# KiCad board AmigaPCI Mainboard.kicad_pcb (continued)
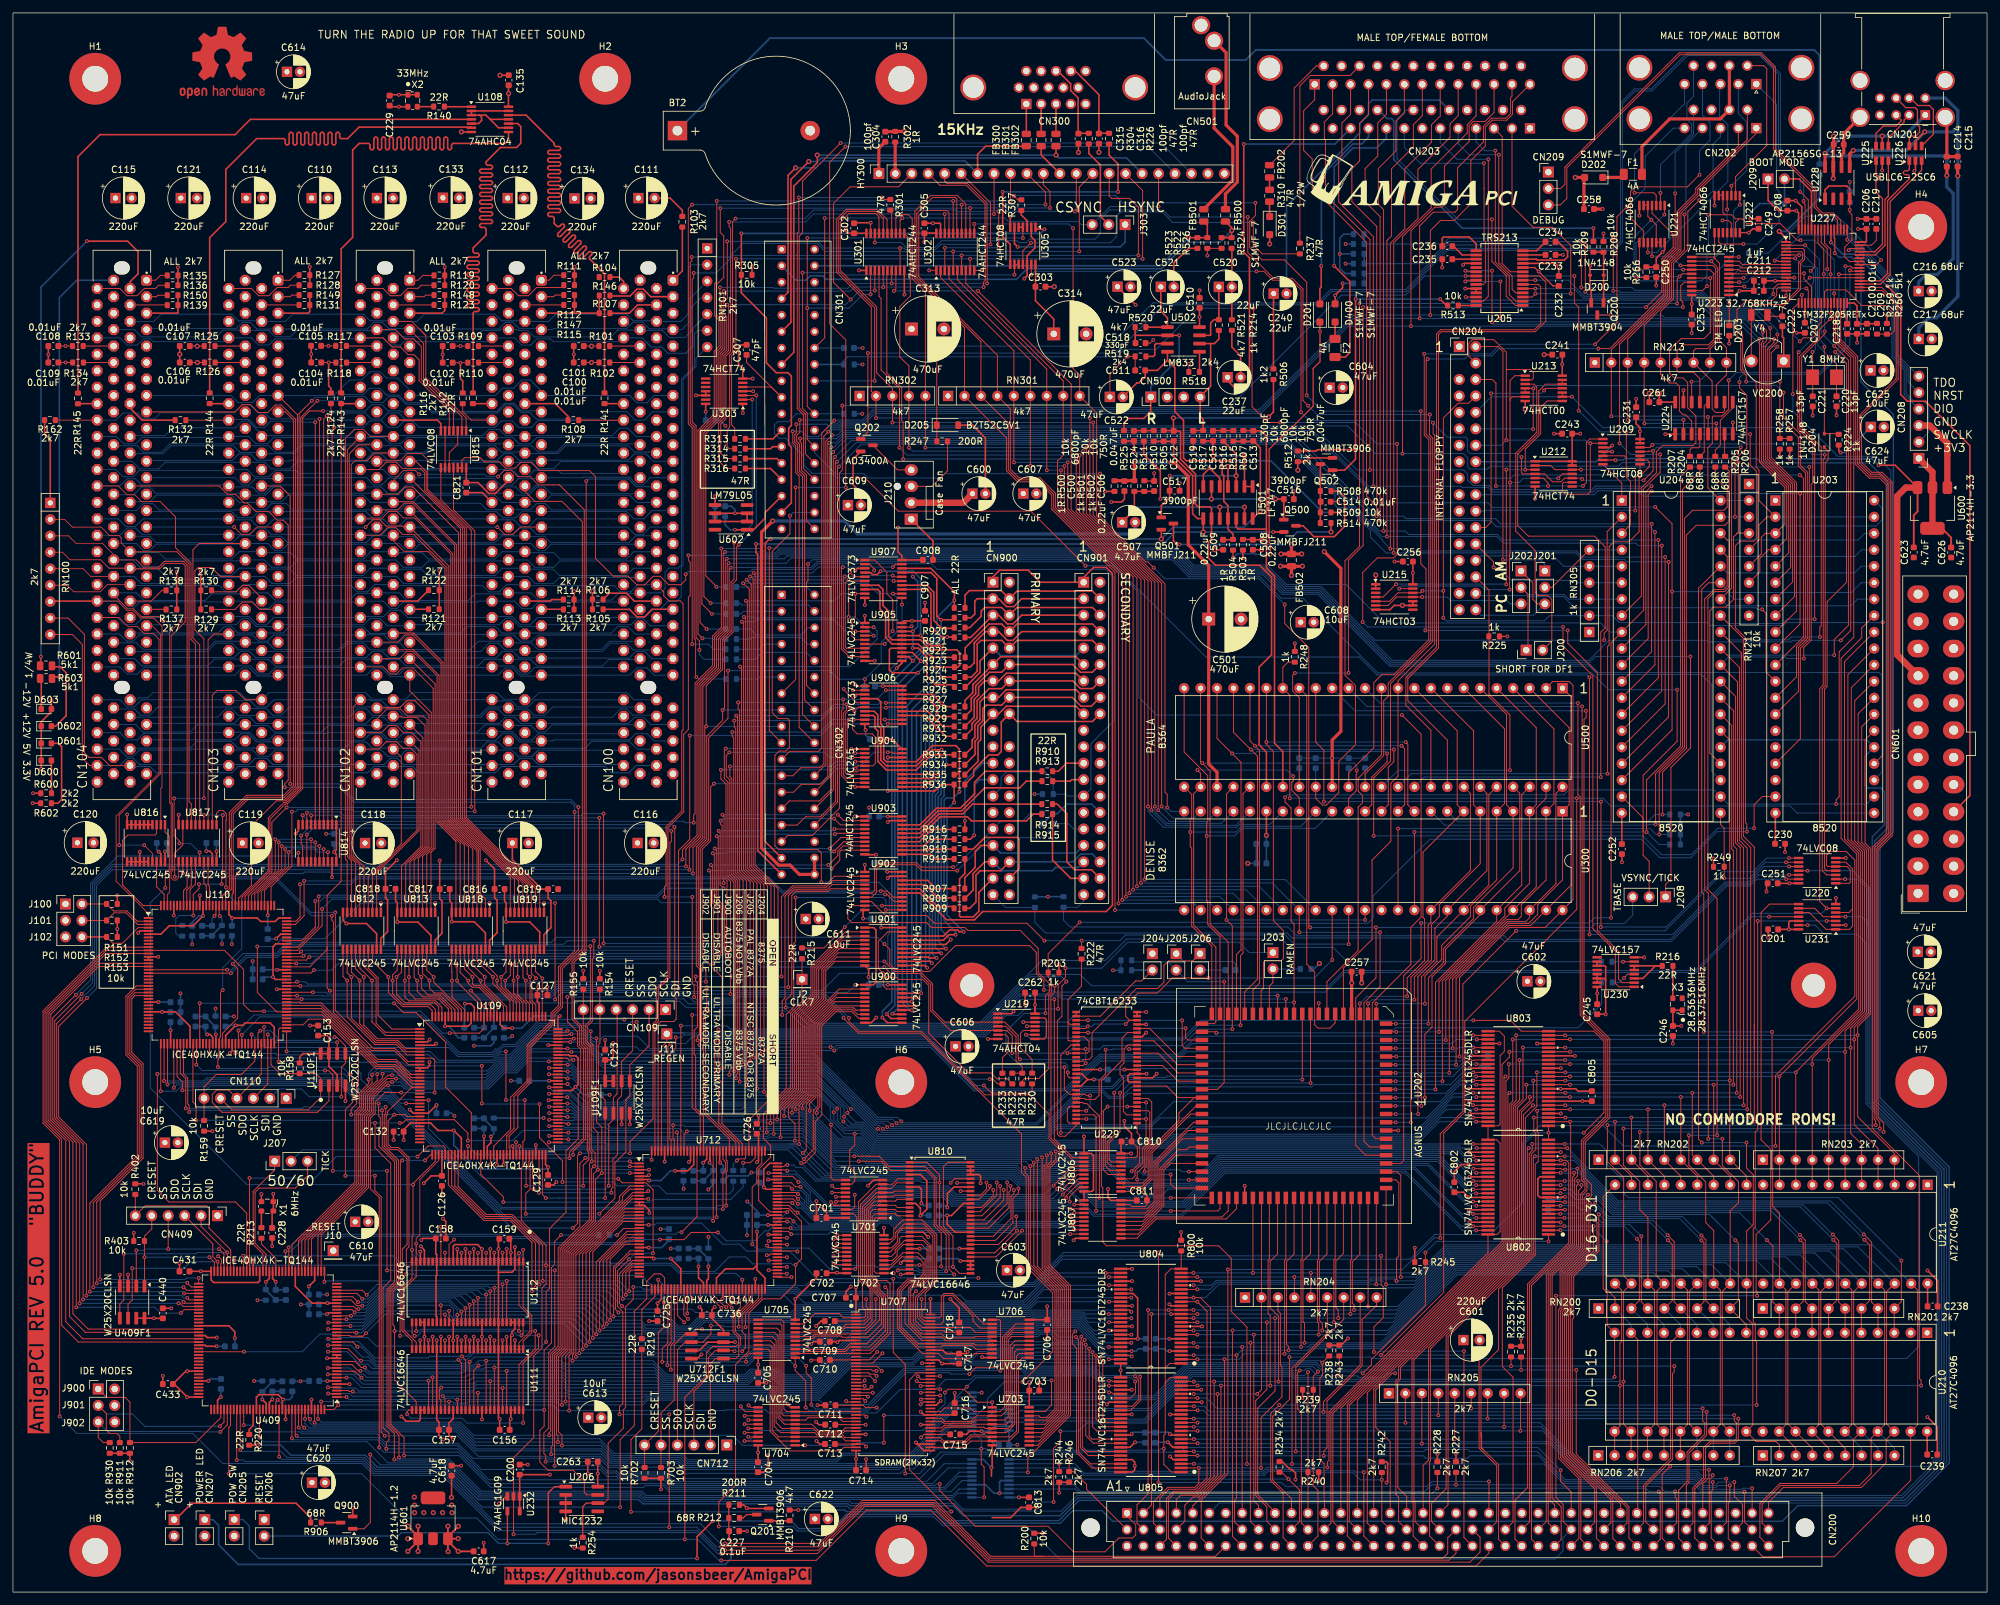
[diagram p0: board, top side]
## Routing (per net, layer and track width the routed paths; a pad name or vN(x,y) marks a point on that pad's centre or on a via; arc(x,y) is an arc through that point) (continued)
LVA1: length 262.7
  Top w0.15: U805.29 169.86,30.6 169.63,30.82 v1(169.24,30.82) ; v1(98.09,61.94) 97.85,61.7 U712.10 95.73,61.7 86.29,52.26 86.29,36.95 85.87,36.52 85.87,28.02 v1(85.87,28.02) ; v1(34.82,86.7) 34.81,86.69 34.81,84.7 ; U409.144 49.54,28.2 v1(50.23,28.88)
  In2.Cu w0.15: v1(94.4,88.39) 94.4,87 96.54,84.86 96.54,63.49 v1(98.09,61.94)
  Bottom w0.15: v1(34.82,86.7) 37.24,89.11 63.11,89.11 68.91,83.31 73.95,83.31 74.49,83.85 74.96,83.85 75.66,84.55 77.48,84.55 81.32,88.39 v1(94.4,88.39) ; v1(50.23,28.88) 83.32,28.88 84.18,28.02 v1(85.87,28.02) 110.02,28.02 110.14,28.14 116.21,28.14 116.69,27.66 133.35,27.66 136.98,31.3 142.43,31.3 143.97,32.83 147.87,32.83 148.43,33.39 166.68,33.39 v1(169.24,30.82)
LVA2: length 170.1
  Top w0.15: U409.143 v1(47.59,29.41) ; v1(84.75,28.9) 84.75,36.4 85.69,37.34 85.69,52.51 93.66,60.48 93.66,61.09 95.27,62.7 U712.8 ; v1(169.21,31.87) U805.27 ; U111.38 v1(67.34,29.41)
  Bottom w0.15: v1(47.59,29.41) 48.82,29.41 v1(67.34,29.41) 67.84,29.41 68.07,29.18 70.09,29.18 70.31,29.41 83.96,29.41 84.47,28.9 v1(84.75,28.9) 97.27,28.9 98,29.64 124.49,29.64 125.16,28.97 132.02,28.97 137.54,34.5 151.5,34.5 151.76,34.75 155.17,34.75 156.23,33.69 166.8,33.69 168.62,31.87 v1(169.21,31.87)
LVA3: length 165.5
  Top w0.15: U111.40 v1(68.61,29.71) ; v1(85.33,29.43) 85.33,36.45 85.99,37.11 85.99,52.39 94.11,60.51 94.11,61.12 95.19,62.2 U712.9 ; U805.26 169.81,32.5 169.69,32.62 v1(169.23,32.62) ; v1(51.49,30.12) 50.01,30.12
  Bottom w0.15: v1(169.23,32.62) 168.29,32.62 166.92,33.99 156.35,33.99 155.29,35.05 145.23,35.05 144.42,35.85 142.28,35.85 141.22,34.8 129.47,34.8 124.61,29.94 97.88,29.94 97.37,29.43 v1(85.33,29.43) 84.67,29.43 84.39,29.71 v1(68.61,29.71) 68.25,29.71 68.02,29.93 67,29.93 66.78,29.71 51.9,29.71 v1(51.49,30.12)
LVA4: length 162.6
  Top w0.15: v1(53.18,37.88) 52.45,38.61 U409.18 ; U712.15 94.5,59.2 87.44,52.13 87.44,36.9 v1(87.44,36.9) ; v1(68.77,35.87) 69.25,35.39 U111.41 ; U804.47 v1(169.21,35.94)
  Bottom w0.15: v1(53.18,37.88) 53.72,37.88 55.96,35.64 68.33,35.64 68.56,35.87 v1(68.77,35.87) 70.06,35.87 71.09,36.9 v1(87.44,36.9) 105.3,36.9 105.66,37.26 106.95,37.26 107.84,36.38 113.64,36.38 114.39,37.12 124.6,37.12 127.84,40.37 157.9,40.37 158.37,40.83 164.32,40.83 v1(169.21,35.94)
LVA5: length 167.9
  Top w0.15: v1(87.96,37.48) 87.96,37.49 87.96,52.23 94.42,58.7 U712.16 ; U804.46 172.55,36.57 v1(172.73,36.4) ; U111.42 69.88,35.84 v1(69.33,36.39) ; v1(48.65,39.11) U409.19
  Bottom w0.15: v1(172.73,36.4) 172.66,36.46 169.11,36.46 164.44,41.13 158.25,41.13 157.78,40.66 127.71,40.66 124.47,37.43 114.26,37.43 113.51,36.68 107.96,36.68 107.07,37.56 105.54,37.56 105.46,37.48 v1(87.96,37.48) 71.25,37.48 70.16,36.39 v1(69.33,36.39) 64.35,36.39 64.12,36.16 55.86,36.16 53.36,38.66 49.1,38.66 v1(48.65,39.11)
LVA6: length 154.8
  Top w0.15: 53.35,39.5 54.04,39.5 v1(54.51,39.97) ; 53.35,39.5 52.12,39.5 52.01,39.61 U409.20 ; 53.35,39.5 53.86,39.5 53.86,39.5 ; v1(169.21,37.85) 169.21,37.84 171.03,37.84 ; v1(88.48,38.05) 88.49,38.06 88.49,52.34 94.35,58.2 U712.17 ; v1(66.7,42.86) 66.71,42.85 U112.37
  Bottom w0.15: 107.89,37.72 124.35,37.72 127.59,40.96 157.65,40.96 158.12,41.43 164.57,41.43 168.15,37.85 v1(169.21,37.85) ; 107.89,37.72 107.34,37.72 107.01,38.05 v1(88.48,38.05) 85.09,41.44 68.12,41.44 v1(66.7,42.86) 66.65,42.91 57.45,42.91 v1(54.51,39.97) ; 107.89,37.72 107.43,37.72
LVA7: length 159.7
  Top w0.15: v1(172.67,38.49) 172.66,38.48 U804.43 ; v1(89.01,38.64) 89.01,38.64 89.01,52.44 94.27,57.7 U712.18 ; U112.38 v1(67.34,43.42) ; v1(53.03,40.02) 52.94,40.11 U409.21
  Bottom w0.15: v1(172.67,38.49) 167.93,38.49 164.69,41.73 158,41.73 157.53,41.26 127.46,41.26 125.09,38.89 122.8,38.89 121.93,38.02 107.55,38.02 106.98,38.59 89.06,38.59 v1(89.01,38.64) 87.69,39.95 ; 69.01,41.75 68.49,41.75 ; 69.01,41.75 85.91,41.75 ; 69.01,41.75 68.49,41.75 ; 68.49,41.75 67.34,42.9 v1(67.34,43.42) 57.2,43.42 53.81,40.02 v1(53.03,40.02) ; 85.91,41.75 87.69,39.95 ; 85.91,41.75 87.69,39.95
LVA8: length 158.8
  Top w0.15: U804.41 v1(172.7,39.75) ; v1(89.54,39.23) 89.53,39.24 89.53,52.54 94.22,57.22 96.68,57.22 ; U112.36 v1(66.07,44.3) ; v1(48.66,40.61) U409.22
  Bottom w0.15: v1(172.7,39.75) 167.1,39.75 164.81,42.03 157.87,42.03 157.41,41.56 127.34,41.56 124.97,39.19 105.9,39.19 105.59,38.89 101.92,38.89 101.58,39.23 v1(89.54,39.23) 86.5,42.27 68.39,42.27 68.01,42.65 68.01,43.7 67.42,44.3 v1(66.07,44.3) 57.65,44.3 53.91,40.56 48.72,40.56 v1(48.66,40.61)
LVA9: length 148.4
  Top w0.15: U804.40 169.21,40.38 v1(169.21,40.38) ; v1(90.06,39.8) 90.06,39.81 90.06,50.94 94.81,55.7 U712.22 ; U112.40 v1(68.61,42.8) ; 52.11,41.11 U409.23
  Bottom w0.15: v1(52.11,41.08) 54.01,41.08 57.75,44.82 67.32,44.82 68.61,43.53 v1(68.61,42.8) 87.06,42.8 v1(90.06,39.8) 90.09,39.82 101.41,39.82 102.04,39.19 105.11,39.19 105.41,39.5 124.85,39.5 127.22,41.87 157.28,41.87 157.75,42.33 164.94,42.33 166.91,40.36 169.19,40.36 v1(169.21,40.38)
LVA10: length 149.4
  Top w0.15: v1(169.23,41.66) 169.24,41.65 U804.38 ; v1(69.24,43.32) 69.25,43.31 U112.41 ; v1(48.67,41.6) 49.99,41.6 ; U712.23 94.74,55.2 90.58,51.04 v1(90.58,40.39)
  Bottom w0.15: v1(169.23,41.66) 166.04,41.66 165.06,42.63 157.63,42.63 157.16,42.16 127.09,42.16 124.72,39.8 105.29,39.8 104.98,39.49 102.17,39.49 101.53,40.12 97.49,40.12 97.23,40.38 90.59,40.38 v1(90.58,40.39) 87.65,43.32 v1(69.24,43.32) 67.44,45.12 57.63,45.12 54.11,41.6 48.68,41.6 v1(48.67,41.6)
LVA11: length 149.1
  Top w0.15: U712.24 94.66,54.7 91.15,51.19 v1(91.15,40.91) ; v1(51.49,42.13) 50.02,42.13 ; U112.42 v1(69.88,43.84) ; U804.37 v1(172.68,42.29)
  Bottom w0.15: v1(172.68,42.29) 165.83,42.29 165.19,42.93 157.5,42.93 157.12,42.55 121.62,42.55 120.74,41.66 106.73,41.66 104.86,39.79 102.29,39.79 101.66,40.43 97.62,40.43 97.14,40.9 91.15,40.9 v1(91.15,40.91) 88.21,43.84 v1(69.88,43.84) 68.31,45.42 57.51,45.42 54.22,42.13 v1(51.49,42.13)
LVA12: length 144.8
  Top w0.15: v1(91.69,41.43) 91.69,51.3 94.59,54.2 U712.25 ; v1(70.52,44.37) 70.51,44.37 U112.43 ; v1(52.2,42.65) 50.05,42.65 ; v1(169.21,42.93) 169.21,42.93 U804.36
  Bottom w0.15: v1(169.21,42.93) 165.61,42.93 165.31,43.23 157.38,43.23 156.99,42.85 121.5,42.85 120.62,41.96 106.61,41.96 104.74,40.09 102.42,40.09 101.78,40.72 97.74,40.72 97.04,41.43 v1(91.69,41.43) 88.75,44.37 v1(70.52,44.37) 69.17,45.72 57.38,45.72 54.32,42.65 v1(52.2,42.65)
LVA13: length 147.6
  Top w0.15: U804.35 172.38,43.56 v1(172.68,43.26) ; U409.28 52.34,43.61 v1(52.76,43.19) ; U112.44 v1(71.15,44.89) ; U712.26 94.51,53.7 92.21,51.39 92.21,41.99 v1(92.21,41.98)
  Bottom w0.15: v1(52.76,43.19) 52.77,43.18 54.42,43.18 57.26,46.02 70.03,46.02 v1(71.15,44.89) 89.29,44.89 v1(92.21,41.98) 96.91,41.98 97.64,41.25 101.68,41.25 102.47,40.46 104.68,40.46 106.48,42.26 120.49,42.26 121.38,43.15 156.87,43.15 157.25,43.53 172.41,43.53 v1(172.68,43.26)
LVA14: length 142.7
  Top w0.15: v1(53.35,43.7) 52.99,43.7 52.58,44.11 U409.29 ; U712.28 95.28,52.7 92.74,50.16 92.74,42.57 v1(92.73,42.56) ; U804.33 v1(169.23,44.83) ; v1(71.79,45.42) 71.78,45.41 U112.45
  Bottom w0.15: v1(53.35,43.7) 54.52,43.7 57.13,46.32 70.89,46.32 v1(71.79,45.42) 89.87,45.42 v1(92.73,42.56) 100.8,42.56 102.6,40.76 104.55,40.76 106.36,42.56 120.37,42.56 121.25,43.45 156.74,43.45 158.12,44.83 v1(169.23,44.83)
LVA15: length 146.6
  Top w0.15: v1(172.67,45.46) 172.67,45.46 171.03,45.46 ; U712.29 95.2,52.2 93.04,50.04 93.04,44.56 ; v1(53.94,44.23) 53.07,44.23 52.19,45.11 U409.31 ; 93.04,43.65 93.04,44.56 ; 93.04,44.56 93.04,43.63 v1(93.51,43.16) ; 73.06,41.65 73.06,45.94 v1(73.06,45.94)
  Bottom w0.15: v1(53.94,44.23) 54.62,44.23 57.01,46.62 71.75,46.62 72.43,45.94 v1(73.06,45.94) 90.73,45.94 v1(93.51,43.16) 100.62,43.16 102.72,41.06 104.43,41.06 106.24,42.87 120.24,42.87 121.13,43.75 156.62,43.75 158.33,45.46 v1(172.67,45.46)
LVA16: length 171.3
  Top w0.15: v1(94.06,44.14) 93.64,44.56 93.64,49.15 95.69,51.2 U712.31 ; U409.32 52.43,45.61 v1(53.28,44.76) ; U804.30 172.65,46.74 v1(172.66,46.73) ; U112.48 v1(73.69,46.47) ; U109.42 67.23,62.86 72.7,57.39 76.74,57.39 80.13,54 v1(80.13,46.47)
  Bottom w0.15: v1(172.66,46.73) 159.18,46.73 156.5,44.05 121,44.05 120.12,43.16 105.38,43.16 104.85,43.69 94.51,43.69 v1(94.06,44.14) 91.73,46.47 v1(80.13,46.47) v1(73.69,46.47) 73.08,46.47 72.63,46.92 56.88,46.92 54.72,44.75 53.29,44.75 v1(53.28,44.76)
LVA17: length 165.9
  Top w0.15: U109.43 67.73,62.79 72.83,57.69 76.86,57.69 80.68,53.87 v1(80.68,47) ; v1(74.33,47) 74.32,46.99 U112.49 ; v1(53.95,45.28) 53.12,46.11 U409.33 ; v1(94.16,45.28) 94.1,45.34 94.1,49.19 95.61,50.7 U712.32 ; U804.29 v1(169.22,47.37)
  Bottom w0.15: v1(169.22,47.37) 159.39,47.37 156.37,44.35 120.53,44.35 119.03,45.85 101.05,45.85 100.48,45.28 v1(94.16,45.28) 92.45,47 v1(80.68,47) v1(74.33,47) 73.56,47 73.33,47.22 56.76,47.22 54.82,45.28 v1(53.95,45.28)
LVA18: length 164.5
  Top w0.15: v1(94.63,45.89) 94.62,45.89 94.62,49.29 95.54,50.2 U712.33 ; v1(75.59,47.52) 75.59,47.51 U112.51 ; U409.34 53.9,46.61 v1(54.62,45.89) ; U804.27 v1(169.22,48.64) ; v1(81.24,47.52) 81.24,53.74 76.99,57.99 72.95,57.99 68.23,62.71 U109.44
  Bottom w0.15: v1(54.62,45.89) 56.25,47.52 v1(75.59,47.52) v1(81.24,47.52) 93,47.52 v1(94.63,45.89) 100.53,45.89 100.79,46.15 120.69,46.15 122.19,44.65 156.12,44.65 160.11,48.64 v1(169.22,48.64)
LVA19: length 166
  Top w0.15: U109.45 68.73,62.64 73.08,58.29 77.11,58.29 81.78,53.62 81.78,48.05 v1(81.78,48.05) ; U712.34 95.46,49.7 95.15,49.39 v1(95.15,46.45) ; v1(168.71,49.27) 168.71,49.27 U804.26 ; U112.52 76.23,48.03 v1(76.24,48.05) ; v1(48.09,47.9) U409.37
  Bottom w0.15: v1(48.09,47.9) 48.24,48.05 v1(76.24,48.05) v1(81.78,48.05) 93.56,48.05 v1(95.15,46.45) 120.82,46.45 121.42,45.84 146.25,45.84 147.14,44.95 156,44.95 160.32,49.27 v1(168.71,49.27)
LVA20: length 186.4
  Top w0.15: U111.43 v1(70.51,35.58) ; v1(164.14,39.38) 164.51,39.01 164.51,27.84 164.51,27.84 164.51,21.66 166.37,19.81 U805.46 ; v1(86.39,35.73) 86.4,35.74 86.4,36.63 86.59,36.82 86.59,52.14 95.65,61.2 U712.11 ; v1(48.65,38.1) 49.99,38.1
  Bottom w0.15: v1(164.14,39.38) 161.46,39.38 160.72,40.12 158.5,40.12 158.15,39.76 129.35,39.76 123.12,33.54 118.93,33.54 118.07,34.4 113.81,34.4 112.95,33.54 101.01,33.54 98.82,35.73 v1(86.39,35.73) 85.82,36.3 71.23,36.3 v1(70.51,35.58) 70.28,35.34 69.12,35.34 68.88,35.11 56.06,35.11 54.88,36.3 53.96,36.3 52.15,38.1 v1(48.65,38.1)
LVA21: length 154.3
  Top w0.15: v1(48.64,37.11) U409.15 ; U805.43 165.83,21.71 165.12,22.43 165.12,34.74 165.11,34.74 165.11,38.55 v1(165.49,38.92) ; U111.44 71.15,34.23 v1(71.89,34.97)
  Bottom w0.15: v1(165.49,38.92) 165.05,38.49 159.96,38.49 159.78,38.66 151.4,38.66 150.9,39.16 129.6,39.16 123.37,32.94 118.68,32.94 117.82,33.8 114.06,33.8 113.2,32.94 100.76,32.94 99.02,34.68 85.29,34.68 84.77,35.19 72.81,35.19 72.59,34.97 v1(71.89,34.97) 71.66,34.75 69.37,34.75 69.13,34.51 55.5,34.51 54.81,35.19 53.51,35.19 51.59,37.11 v1(48.64,37.11)
LVA22: length 137
  Top w0.15: v1(52.46,30.98) 51.89,30.98 51.77,31.11 U409.3 ; v1(71.79,30.76) 71.78,30.75 U111.45 ; U805.32 172.79,28.69 173.81,29.72 173.81,32.74 v1(173.23,33.32)
  Bottom w0.15: v1(173.23,33.32) 173.11,33.44 168.32,33.44 167.17,34.59 156.6,34.59 155.54,35.65 145.48,35.65 144.67,36.45 139.94,36.45 138.88,35.39 129.22,35.39 124.37,30.54 95.85,30.54 95.79,30.48 85.83,30.48 85.55,30.76 v1(71.79,30.76) 52.69,30.76 v1(52.46,30.98)
LVA23: length 153.2
  Top w0.15: U409.16 51.7,37.61 53.59,35.72 v1(53.73,35.72) ; U805.44 166.05,21.07 164.81,22.31 164.81,28.19 164.81,28.19 164.81,38.71 164.96,38.85 v1(164.96,39.45) ; 73.06,28.1 73.06,35.71 v1(73.06,35.72)
  Bottom w0.15: v1(164.96,39.45) 164.29,38.78 161.3,38.78 160.27,39.81 158.62,39.81 158.27,39.46 129.47,39.46 123.25,33.24 118.81,33.24 117.95,34.1 113.93,34.1 113.07,33.24 100.89,33.24 98.92,35.2 85.19,35.2 84.67,35.72 v1(73.06,35.72) 71.9,35.72 71.22,35.05 69.24,35.05 69.01,34.81 55.94,34.81 55.03,35.72 v1(53.73,35.72)
LVA24: length 142.3
  Top w0.15: U111.48 v1(73.69,32.56) ; v1(167.74,35.97) 167.74,26.78 168.37,26.15 U805.36 ; U409.8 v1(48.62,33.61)
  Bottom w0.15: v1(48.62,33.61) 48.65,33.63 52.51,33.63 54.04,32.11 71.15,32.11 71.61,32.57 85.02,32.57 85.53,32.06 99.53,32.06 100.14,31.44 123.99,31.44 130.22,37.66 150.25,37.66 151.16,36.76 155.71,36.76 156.5,35.97 v1(167.74,35.97)
LVA25: length 147.5
  Top w0.15: U805.41 166.82,22.98 165.64,24.16 165.64,38.18 v1(165.64,38.19) ; v1(74.33,34.67) 74.32,34.66 U111.49 ; U409.12 52.83,35.61 53.77,34.67 v1(54.33,34.67)
  Bottom w0.15: v1(54.33,34.67) 55.02,33.98 69.13,33.98 69.59,34.44 72.66,34.44 72.88,34.67 v1(74.33,34.67) 84.87,34.67 85.39,34.15 99.12,34.15 100.64,32.64 113.32,32.64 114.18,33.5 117.7,33.5 118.56,32.64 123.5,32.64 129.72,38.87 150.78,38.87 151.46,38.19 v1(165.64,38.19)
LVA26: length 142.9
  Top w0.15: v1(75.6,31.51) 75.59,31.51 U111.51 ; v1(174.03,33.27) 174.12,33.18 174.12,29.6 172.57,28.06 U805.33 ; U409.4 v1(48.64,31.61)
  Bottom w0.15: v1(174.03,33.27) 172.4,34.89 156.73,34.89 155.46,36.16 150.91,36.16 150.23,36.84 149.05,36.84 148.15,35.95 145.6,35.95 144.8,36.75 139.82,36.75 138.96,35.89 129.3,35.89 124.24,30.84 99.89,30.84 99.73,31 85.73,31 85.22,31.51 v1(75.6,31.51) 71.43,31.51 70.97,31.06 53.35,31.06 52.9,31.51 49.63,31.51 49.53,31.61 v1(48.64,31.61)
LVA27: length 146
  Top w0.15: U409.11 52.35,35.11 53.31,34.14 v1(53.65,34.14) ; v1(166.17,37.58) 166.17,37.58 166.17,24.06 166.61,23.62 171.03,23.62 ; U111.52 v1(76.23,34.14)
  Bottom w0.15: v1(166.17,37.58) 166.1,37.66 151.56,37.66 150.65,38.56 129.85,38.56 123.62,32.34 118.43,32.34 117.57,33.2 114.31,33.2 113.45,32.34 100.51,32.34 99.22,33.63 85.29,33.63 84.78,34.14 v1(76.23,34.14) 69.71,34.14 69.25,33.68 54.88,33.68 54.42,34.14 v1(53.65,34.14)
LVA28: length 137
  Top w0.15: v1(173.29,32.52) 173.31,32.5 173.31,30.71 172.56,29.96 U805.30 ; v1(66.37,30.23) 66.71,29.9 U111.37 ; v1(48.66,30.65) 48.7,30.61 U409.2
  Bottom w0.15: v1(173.29,32.52) 172.67,33.14 168.19,33.14 167.05,34.29 156.48,34.29 155.42,35.35 145.35,35.35 144.55,36.15 140.06,36.15 139,35.09 129.35,35.09 124.49,30.24 97.59,30.24 97.31,29.95 85.93,29.95 85.65,30.23 v1(66.37,30.23) 52.4,30.23 51.98,30.65 v1(48.66,30.65)
LVA29: length 138.3
  Top w0.15: v1(168.26,35.43) 168.26,27.03 168.51,26.79 U805.35 ; v1(66.13,31.58) 65.84,31.29 65.84,29.89 66.07,29.65 U111.36 ; U409.7 v1(51.5,33.11)
  Bottom w0.15: v1(168.26,35.43) 156.61,35.43 155.58,36.46 151.03,36.46 150.35,37.14 148.92,37.14 148.03,36.25 145.73,36.25 144.92,37.06 139.69,37.06 138.83,36.19 129.17,36.19 124.12,31.14 100.02,31.14 99.63,31.53 85.63,31.53 85.12,32.04 71.53,32.04 71.07,31.58 v1(66.13,31.58) 53.82,31.58 52.29,33.11 v1(51.5,33.11)
LVA30: length 140.4
  Top w0.15: U111.33 64.16,32.63 v1(64.16,32.63) ; U409.9 52.78,34.11 v1(53.8,33.09) ; v1(167.21,36.51) 167.21,26.72 168.42,25.52 U805.37
  Bottom w0.15: v1(53.8,33.09) 54.26,32.63 v1(64.16,32.63) 70.51,32.63 70.97,33.09 84.92,33.09 85.43,32.58 99.42,32.58 100.26,31.74 123.87,31.74 130.09,37.96 150.38,37.96 151.28,37.06 155.83,37.06 156.38,36.51 v1(167.21,36.51)
LVA31: length 145.9
  Top w0.15: U111.34 v1(64.8,33.16) ; U805.38 167.32,24.88 166.69,25.52 166.69,37.04 v1(166.69,37.04) ; v1(48.62,34.6) 49.99,34.6
  Bottom w0.15: v1(166.69,37.04) 156.27,37.04 155.95,37.36 151.44,37.36 150.53,38.26 129.97,38.26 123.74,32.04 118.31,32.04 117.45,32.9 114.43,32.9 113.57,32.04 100.39,32.04 99.32,33.1 85.4,33.1 84.88,33.62 70.34,33.62 69.88,33.16 v1(64.8,33.16) 54.62,33.16 54.16,33.62 52.95,33.62 51.97,34.6 v1(48.62,34.6)
LVAD0: length 19.5
  Top w0.15: U109.2 57.46,86.44 56.07,87.83 56.07,94.71 54.21,96.57 U812.16
LVAD1: length 18.1
  Top w0.15: U812.17 54.85,96.35 56.37,94.83 56.37,89.09 58.52,86.94 U109.1
LVAD2: length 79.9
  Top w0.15: U109.144 64.73,89.8 64.13,90.4 60.16,90.4 57.97,92.59 v1(57.97,94.97) 55.5,97.44 U812.18
  Top w0.25: U111.19 v1(67.34,39.43)
  In2.Cu w0.15: v1(57.97,94.97) 57.97,93.4 66.26,85.11 66.26,70.23 67.31,69.18 67.31,56.88 64.82,54.39 64.82,42.16 67.34,39.64 v1(67.34,39.43)
LVAD3: length 79.4
  Top w0.15: U813.11 59.34,96.02 58.61,95.29 v1(58.61,94.41) 58.61,92.37 60.28,90.7 64.51,90.7 65.23,89.98 U109.143
  Top w0.25: U111.17 v1(68.61,39.43)
  In2.Cu w0.15: v1(58.61,94.41) 58.61,93.19 66.56,85.24 66.56,70.36 67.62,69.3 67.62,56.76 65.12,54.26 65.12,42.29 66.41,40.99 67.05,40.99 v1(68.61,39.43)
LVAD4: length 80.3
  Top w0.15: U813.12 59.99,95.72 v1(59.24,94.97) ; U109.142 65.73,90.39 65.13,91 60.52,91 59.24,92.28 v1(59.24,94.97) ; v1(59.24,94.97) 59.25,94.98
  Top w0.25: 69.24,37.5 69.24,38.87
  In2.Cu w0.15: v1(69.24,38.87) 69.24,39.54 67.41,41.37 66.46,41.37 65.42,42.41 65.42,54.14 67.91,56.63 67.91,69.43 66.88,70.46 66.88,85.34 59.24,92.98 v1(59.24,94.97)
LVAD5: length 77.6
  Top w0.15: U813.14 61.29,97.42 61.15,97.28 61.15,94.98 v1(61.14,94.97) 61.14,92.56 62.1,91.6 65.69,91.6 67.23,90.06 U109.139
  Top w0.25: U111.15 v1(69.88,39.43)
  In2.Cu w0.15: v1(61.14,94.97) 61.14,94.95 67.98,88.11 67.98,84.03 67.49,83.54 67.49,70.7 68.51,69.68 68.51,56.38 67.32,55.19 67.32,47.24 67.97,46.59 67.97,42.52 69.88,40.61 v1(69.88,39.43)
LVAD6: length 62.4
  Top w0.15: U109.141 66.23,90.32 65.25,91.3 61.11,91.3 60.51,91.9 v1(60.51,94.41) 60.51,94.42 60.51,97.26 60.64,97.38 U813.13 ; v1(66.7,52.41) 66.71,52.4 U112.20
  In2.Cu w0.15: v1(60.51,94.41) 60.51,92.14 67.19,85.46 67.19,70.58 68.22,69.55 68.22,56.51 66.7,54.99 v1(66.7,52.41)
LVAD7: length 60.9
  Top w0.15: U109.138 67.73,89.98 65.82,91.9 63.3,91.9 62.42,92.78 v1(62.42,94.41) 61.94,94.89 U813.15 ; v1(68.09,54.41) 67.34,53.67 U112.19
  In2.Cu w0.15: v1(62.42,94.41) 68.28,88.55 68.28,74.23 68.81,73.7 68.81,56.01 68.08,55.27 68.08,54.42 v1(68.09,54.41)
LVAD8: length 70.5
  Top w0.15: 55.5,87.97 57.54,85.94 U109.3 ; 55.5,87.97 55.44,88.04 v1(55.44,94.42) 55.44,94.45 53.56,96.34 U812.15 ; 55.5,87.97 55.44,88.04 ; U112.21 v1(66.07,56.4)
  In2.Cu w0.15: v1(55.44,94.42) 56.59,93.27 57.68,93.27 65.96,84.99 65.96,76.58 64.81,75.44 64.81,71.25 67.01,69.05 67.01,57.34 v1(66.07,56.4)
LVAD9: length 60.5
  Top w0.15: v1(63.05,94.97) 62.59,95.44 U813.16 ; v1(63.05,94.97) 63.05,93.24 64.09,92.2 65.94,92.2 68.23,89.91 U109.137 ; v1(63.05,94.97) 63.06,94.98
  Top w0.25: 68.61,51.04 v1(68.61,52.97)
  In2.Cu w0.15: v1(63.05,94.97) 63.05,94.94 68.58,89.41 68.58,74.36 69.12,73.82 69.12,55.88 68.61,55.38 v1(68.61,52.97)
LVAD10: length 58.9
  Top w0.15: U109.136 68.73,90.01 66.24,92.5 65.04,92.5 64.32,93.22 v1(64.32,94.41) ; 64.32,94.42 v1(64.32,94.41) ; v1(64.32,94.41) 64.32,94.45 63.24,95.53 U813.17
  Top w0.25: 69.24,51.04 69.24,52.4
  In2.Cu w0.15: v1(64.32,94.41) 64.32,94.24 68.88,89.68 68.88,74.48 69.41,73.95 69.41,53.93 69.24,53.75 v1(69.24,52.41)
LVAD11: length 58.6
  Top w0.15: U109.135 69.23,89.93 64.96,94.2 v1(64.96,94.97) 63.89,96.04 U813.18
  Top w0.25: 69.88,51.04 v1(69.88,52.97)
  In2.Cu w0.15: v1(64.96,94.97) 64.96,94.02 69.18,89.8 69.18,74.61 69.72,74.07 69.72,55.31 69.88,55.14 v1(69.88,52.97)
LVAD12: length 56.3
  Top w0.15: U818.11 67.75,95.73 67.78,95.7 v1(67.78,94.41) 67.78,91.89 69.73,89.94 U109.134
  Top w0.25: 70.5,51.04 70.5,52.4
  In2.Cu w0.15: v1(70.51,52.41) 70.51,54.97 71.23,55.69 71.23,69.54 70.01,70.75 70.01,74.2 69.48,74.73 69.48,89.92 67.78,91.63 v1(67.78,94.41)
LVAD13: length 56.5
  Top w0.15: 68.4,99.23 68.4,96.53 68.57,96.36 v1(68.57,94.42) 68.57,94.23 71.73,91.07 U109.130
  Top w0.25: 71.15,51.04 v1(71.15,52.97)
  In2.Cu w0.15: v1(71.15,52.97) 71.16,52.98 71.16,54.57 71.53,54.94 71.53,69.66 70.31,70.88 70.31,74.32 69.78,74.86 69.78,90.05 68.57,91.26 v1(68.57,94.42)
LVAD14: length 60.7
  Top w0.15: U818.13 69.04,95.68 v1(70.31,94.41) ; U109.125 74.23,91.1 71.94,93.39 70.9,93.39 70.31,93.98 v1(70.31,94.41) ; 70.31,94.42 v1(70.31,94.41) ; U112.12 71.78,52.37 v1(71.79,52.37)
  In2.Cu w0.15: v1(71.79,52.37) 71.81,52.39 71.81,54.47 72.76,55.42 72.76,64.1 71.83,65.03 71.83,70.72 72.99,71.88 72.99,86.09 74.65,87.75 74.65,90.83 73.96,91.51 73.95,91.51 72.89,92.58 72.15,92.58 v1(70.31,94.41)
LVAD15: length 60.1
  Top w0.15: 73.06,51.05 73.06,52.38 v1(73.06,52.38) ; U818.14 69.69,96.23 v1(70.94,94.98) ; v1(70.94,94.98) 70.94,93.95 71.2,93.69 72.06,93.69 74.73,91.02 U109.124 ; v1(70.94,94.98) 70.94,94.99
  In2.Cu w0.15: v1(73.06,52.38) 73.06,64.22 72.13,65.15 72.13,70.59 73.29,71.75 73.29,85.97 74.95,87.63 74.95,90.95 73.71,92.19 73.69,92.19 72.79,93.1 72.78,93.1 70.94,94.94 v1(70.94,94.98)
LVAD16: length 58.6
  Top w0.15: U109.122 75.73,90.45 72.21,93.97 v1(72.21,94.41) ; 72.21,94.42 v1(72.21,94.41) ; v1(72.21,94.41) 72.21,94.46 70.34,96.32 U818.15
  Top w0.25: 73.69,51.04 v1(73.69,52.97)
  In2.Cu w0.15: v1(73.69,52.97) 73.7,52.98 73.7,64.38 72.91,65.17 72.91,66.83 74.38,68.3 74.38,83.02 75.25,83.89 75.25,91.34 72.21,94.38 v1(72.21,94.41)
LVAD17: length 60.9
  Top w0.15: U109.121 76.23,90.37 72.84,93.76 v1(72.84,94.98) ; v1(72.84,94.98) 72.85,94.99 ; v1(72.84,94.98) 71,96.83 71,99.23
  Top w0.25: 74.31,51.04 74.31,52.4
  In2.Cu w0.15: v1(72.84,94.98) 72.84,94.17 77.75,89.26 77.75,77.65 77,76.9 77,70.5 73.21,66.7 73.21,65.3 74.32,64.18 v1(74.32,52.41)
LVAD18: length 59.1
  Top w0.15: v1(74.11,94.98) 71.65,97.45 U818.17 ; v1(74.11,94.98) 74.12,94.99 ; v1(74.11,94.98) 74.12,94.98 74.12,93.92 76.73,91.31 U109.120
  Top w0.25: 75.59,51.04 75.59,52.4
  In2.Cu w0.15: v1(74.11,94.98) 74.11,93.33 78.06,89.38 78.06,77.53 77.31,76.78 77.31,70.26 76.31,69.26 76.31,55.44 75.59,54.72 v1(75.59,52.41)
LVAD19: length 58.2
  Top w0.15: U818.18 72.29,97.64 74.75,95.18 74.75,94.42 v1(74.75,94.41) 74.75,93.71 77.23,91.23 U109.119
  Top w0.25: 76.23,51.04 v1(76.23,52.97)
  In2.Cu w0.15: v1(74.75,94.41) 74.75,93.11 78.35,89.51 78.35,77.4 77.6,76.65 77.6,70.14 76.6,69.14 76.6,54.14 76.23,53.77 v1(76.23,52.97)
LVAD20: length 76.5
  Top w0.15: U819.11 76.14,95.74 v1(75.38,94.98) ; U109.118 77.73,91.16 76.99,91.9 76.99,91.9 75.38,93.52 v1(75.38,94.98) ; v1(75.38,94.98) 75.39,94.99
  Top w0.25: 70.5,37.5 70.5,38.87
  In2.Cu w0.15: v1(75.38,94.98) 75.38,92.91 78.66,89.63 78.66,77.28 77.91,76.53 77.91,75.19 78.66,74.44 78.66,69.83 78.73,69.76 78.73,67.03 77.09,65.39 77.09,55.28 79.47,52.91 79.47,50.12 70.51,41.16 v1(70.51,38.87)
LVAD21: length 75.7
  Top w0.15: 76.02,94.43 v1(76.01,94.41) ; v1(76.01,94.41) 76.79,95.2 U819.12 ; v1(76.01,94.41) 76.01,93.32 77.68,91.64 77.68,91.63 78.23,91.08 U109.117
  Top w0.25: U111.13 v1(71.15,39.43)
  In2.Cu w0.15: v1(71.15,39.43) 71.15,41.38 79.77,49.99 79.77,53.03 77.39,55.41 77.39,65.27 79.03,66.91 79.03,69.88 78.96,69.96 78.96,74.57 78.21,75.32 78.21,76.4 78.96,77.15 78.96,89.76 76.01,92.71 v1(76.01,94.41)
LVAD22: length 74.7
  Top w0.15: 77.4,92.34 78.31,91.43 78.31,91.42 78.73,91.01 U109.116 ; 77.4,92.34 77.29,92.45 v1(77.29,94.41) 77.29,94.42 77.29,97.17 77.44,97.32 U819.13 ; 77.4,92.34 77.29,92.45
  Top w0.25: 71.78,37.5 71.78,38.87
  In2.Cu w0.15: v1(77.29,94.41) 77.29,91.84 79.25,89.88 79.25,77.03 78.5,76.28 78.5,75.44 79.25,74.69 79.25,70.08 79.33,70.01 79.33,66.78 77.69,65.14 77.69,55.53 80.07,53.15 80.07,49.87 71.78,41.58 v1(71.78,38.87)
LVAD23: length 74.1
  Top w0.15: U109.115 79.23,90.93 78.87,91.29 78.87,91.3 78.12,92.04 ; 78.12,92.04 77.93,92.24 ; 78.12,92.04 77.93,92.24 v1(77.93,94.98) 77.93,94.99 77.93,97.15 78.09,97.31 U819.14
  Top w0.25: 73.04,37.5 73.04,38.87
  In2.Cu w0.15: v1(73.05,38.87) 73.05,42.43 80.37,49.74 80.37,53.28 77.99,55.66 77.99,65.02 79.63,66.66 79.63,70.13 79.56,70.21 79.56,90 77.93,91.63 v1(77.93,94.98)
LVAD24: length 72.6
  Top w0.15: U109.114 79.73,90.86 79.19,91.4 v1(79.19,94.41) ; U819.15 78.74,94.86 v1(79.19,94.41) ; v1(79.19,94.41) 79.2,94.42
  Top w0.25: 73.69,37.5 v1(73.69,39.43)
  In2.Cu w0.15: v1(73.69,39.43) 73.69,42.29 80.67,49.27 80.67,53.4 78.29,55.78 78.29,64.89 79.93,66.53 79.93,70.25 79.85,70.33 79.85,90.15 79.19,90.81 v1(79.19,94.41)
LVAD25: length 74
  Top w0.15: 79.83,94.99 v1(79.83,94.98) ; v1(79.83,94.98) 79.39,95.42 U819.16 ; v1(79.83,94.98) 79.83,91.18 80.23,90.78 U109.113
  Top w0.25: 74.31,37.5 74.31,38.86
  In2.Cu w0.15: v1(74.32,38.87) 74.32,42.5 80.97,49.14 80.97,53.53 78.59,55.9 78.59,64.77 81.31,67.48 81.31,69.3 80.16,70.45 80.16,90.27 79.49,90.94 79.49,93.52 79.83,93.86 v1(79.83,94.98)
LVAD26: length 73.4
  Top w0.15: U109.112 80.73,90.7 80.13,91.3 80.13,94.13 v1(80.78,94.77) 80.78,94.78 80.04,95.52 U819.17
  Top w0.25: 75.59,37.5 75.59,38.86
  In2.Cu w0.15: v1(75.59,38.87) 75.59,43.34 81.27,49.02 81.27,53.65 80.49,54.43 80.49,60.33 79.77,61.05 79.77,65.52 81.6,67.36 81.6,69.43 80.46,70.58 80.46,90.39 79.79,91.06 79.79,93.4 80.38,93.99 80.38,94.38 v1(80.78,94.77)
LVAD27: length 72
  Top w0.15: v1(81.73,94.77) U109.110 ; v1(81.73,94.77) 81.74,94.78 ; v1(81.73,94.77) 80.69,95.81 U819.18
  Top w0.25: 76.23,37.5 v1(76.23,39.43)
  In2.Cu w0.15: v1(81.73,94.77) 81.59,94.77 80.09,93.27 80.09,91.18 80.75,90.52 80.75,70.7 81.91,69.55 81.91,67.24 81.75,67.08 81.75,49.07 76.23,43.56 v1(76.23,39.43)
LVAD28: length 84.9
  Top w0.15: U812.14 52.91,96.24 v1(54.17,94.98) 54.17,87.54 54.22,87.49 ; 54.22,87.49 56.27,85.44 U109.4 ; 54.22,87.49 54.16,87.54